# KiCad board ADC_Test.kicad_pcb (continued)
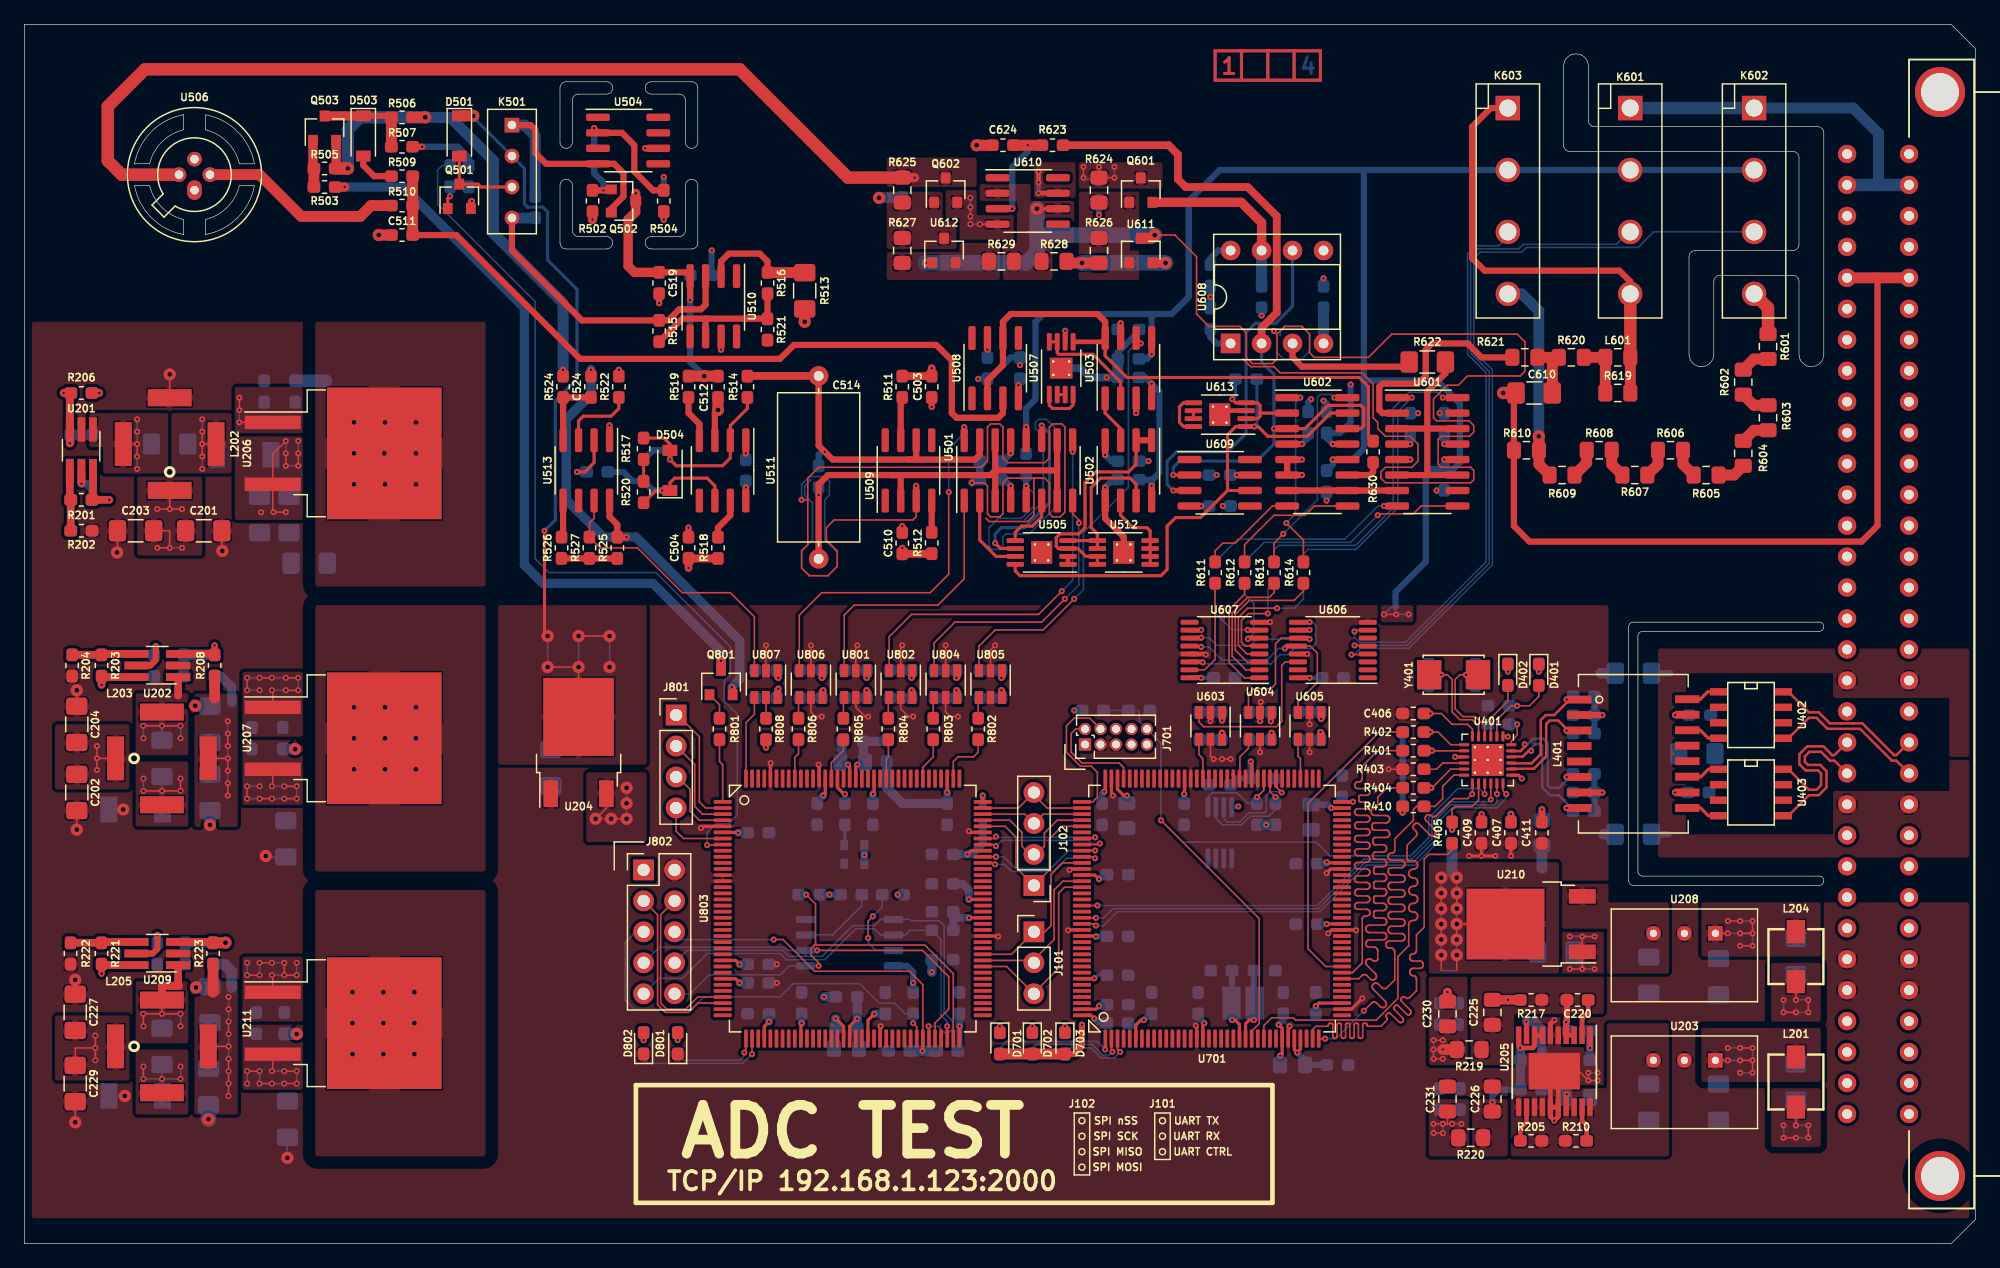
[diagram p0: board, top side]
## Nets (continued)
Net-(C617-Pad1): C617.1 U608.8
Net-(C620-Pad1): C620.1 U608.1
Net-(C624-Pad1): C624.1 R623.1 U610.3
Net-(C625-Pad1): C625.1 U602.2 U613.2 U613.4
Net-(C704-Pad1): C704.1 U701.23 Y701.1
Net-(C706-Pad1): C706.1 U701.24 Y701.2
Net-(C707-Pad1): C707.1 U701.71
Net-(C709-Pad1): C709.1 U701.106
Net-(D401-Pad1): D401.1 R413.1
Net-(D401-Pad2): D401.2 R411.1 U401.2
Net-(D402-Pad1): D402.1 R414.1
Net-(D402-Pad2): D402.2 U401.3
Net-(D501-Pad2): D501.2 K501.3 Q501.3
Net-(D502-Pad1): D502.1 R504.2 U504.2
Net-(D502-Pad2): D502.2 Q502.1 R502.1
Net-(D503-Pad1): D503.1 Q503.3 R506.2 R507.1
Net-(D503-Pad2): D503.2 R509.2
Net-(D701-Pad1): D701.1 R704.2
Net-(D702-Pad1): D702.1 R705.2
Net-(D703-Pad1): D703.1 R706.2
Net-(D801-Pad2): D801.2 R807.2
Net-(D802-Pad2): D802.2 R809.2
Net-(D803-Pad1): D803.1 U803.108
Net-(J801-Pad1): J801.1 U803.2
Net-(J801-Pad2): J801.2 U803.3
Net-(J801-Pad3): J801.3 U803.4
Net-(J801-Pad4): J801.4 U803.7
Net-(K501-Pad1): K501.1 Q502.2 R508.2 U504.4
Net-(K501-Pad4): K501.4 R508.1 R510.2 R515.2 U506.2 U510.3
Net-(K601-Pad4): K601.4 K603.1 L601.1 R619.2
Net-(K602-Pad4): K602.4 R601.2
Net-(K603-Pad4): K603.4 R609.1 R610.1
Net-(L401-Pad9): L401.9 U403.4
Net-(L401-Pad10): L401.10 R420.1
Net-(L401-Pad11): L401.11 U403.1
Net-(L401-Pad14): L401.14 U402.4
Net-(L401-Pad15): L401.15 R421.1
Net-(L401-Pad16): L401.16 U402.1
Net-(L601-Pad2): L601.2 R619.1 R620.2
Net-(Q503-Pad1): Q503.1 R503.1 R505.1
Net-(Q601-Pad1): Q601.1 R624.2 R626.2 U611.1
Net-(Q602-Pad1): Q602.1 R625.1 R627.2 U612.3
Net-(Q801-Pad1): Q801.1 R801.1
Net-(R201-Pad2): R201.2 R202.1 U201.4
Net-(R203-Pad2): R203.2 R204.1 U202.4
Net-(R205-Pad2): R205.2 U205.12
Net-(R210-Pad2): R210.2 U205.19
Net-(R211-Pad1): R211.1 R213.2 U206.1
Net-(R212-Pad1): R212.1 R214.2 U207.1
Net-(R215-Pad2): R215.2 R216.2 U205.1
Net-(R221-Pad2): R221.2 R222.1 U209.4
Net-(R225-Pad1): R225.1 R226.2 U211.1
Net-(R403-Pad1): R403.1 U401.10
Net-(R412-Pad2): R412.2 U401.24
Net-(R511-Pad2): R511.2 U509.7
Net-(R512-Pad1): R512.1 U509.4
Net-(R513-Pad1): R513.1 R516.2 U510.2
Net-(R515-Pad1): R515.1 R516.1 R521.2 U510.6
Net-(R517-Pad1): R517.1 R520.2
Net-(R518-Pad2): R518.2 U511.7
Net-(R519-Pad1): R519.1 U511.4
Net-(R522-Pad1): R522.1 U513.3
Net-(R523-Pad1): R523.1 U513.2
Net-(R525-Pad2): R525.2 R526.1 R527.1
Net-(R526-Pad2): R526.2 U513.5
Net-(R601-Pad1): R601.1 R602.2
Net-(R602-Pad1): R602.1 R603.2
Net-(R603-Pad1): R603.1 R604.2
Net-(R604-Pad1): R604.1 R605.2
Net-(R605-Pad1): R605.1 R606.2
Net-(R606-Pad1): R606.1 R607.2
Net-(R607-Pad1): R607.1 R608.2
Net-(R608-Pad1): R608.1 R609.2
Net-(R611-Pad2): R611.2 U607.15
Net-(R612-Pad2): R612.2 U607.1
Net-(R613-Pad2): R613.2 U607.2
Net-(R614-Pad2): R614.2 U607.3
Net-(R615-Pad2): R615.2 U607.4
Net-(R616-Pad2): R616.2 U607.5
Net-(R617-Pad2): R617.2 U607.6
Net-(R618-Pad2): R618.2 U607.7
Net-(R621-Pad1): R621.1 U601.2
Net-(R622-Pad1): R622.1 U608.3
Net-(R622-Pad2): R622.2 U601.3 U601.6 U601.11 U601.14
Net-(R623-Pad2): R623.2 U602.3 U602.14 U608.2 U609.2
Net-(R626-Pad1): R626.1 R628.1 U611.2
Net-(R627-Pad1): R627.1 R629.2 U612.2
Net-(R628-Pad2): R628.2 R629.1 U610.2 U610.6 U611.3 U612.1
Net-(R630-Pad2): R630.2 U602.11
Net-(R703-Pad1): R703.1 U701.138
Net-(R704-Pad1): R704.1 U701.1
Net-(R705-Pad1): R705.1 U701.2
Net-(R706-Pad1): R706.1 U701.3
Net-(R801-Pad2): R801.2 U803.1
Net-(R802-Pad1): R802.1 U803.110
Net-(R803-Pad1): R803.1 U803.115
Net-(R804-Pad1): R804.1 U803.121
Net-(R805-Pad1): R805.1 U803.130
Net-(R806-Pad1): R806.1 U803.136
Net-(R807-Pad1): R807.1 U803.37
Net-(R808-Pad2): R808.2 U807.5
Net-(R809-Pad1): R809.1 U803.38
Net-(R811-Pad2): R811.2 U808.3
Net-(R813-Pad1): R813.1 U809.3
Net-(R814-Pad1): R814.1 U809.7
Net-(U501-Pad2): U501.2 U505.7
Net-(U501-Pad6): U501.6 U505.5
Net-(U501-Pad11): U501.11 U505.6
Net-(U502-Pad3): U502.3 U503.1
Net-(U502-Pad6): U502.6 U512.5 U512.6 U512.7 U512.8
Net-(U503-Pad2): U503.2 U507.7 U507.8
Net-(U505-Pad1): U505.1 U505.2
Net-(U507-Pad1): U507.1 U507.4
Net-(U507-Pad2): U507.2 U507.3
Net-(U601-Pad7): U601.7 U602.7 U602.10
Net-(U603-Pad3): U603.3 U606.14
Net-(U604-Pad3): U604.3 U606.11 U607.11
Net-(U605-Pad3): U605.3 U606.12 U607.12
Net-(U606-Pad9): U606.9 U607.14
Net-(U608-Pad6): U608.6 U609.3
Net-(U613-Pad5): U613.5 U613.8
Net-(U613-Pad6): U613.6 U613.7

Pads without a net: J301 1 A1 A3 A4 A6 A7 A8 A9 A10 A11 A12 A13 A14 A15 A16 A17 A19 A23 A24 A25 A26 A29 A30 C1 C3 C4 C6 C7 C8 C9 C10 C11 C12 C13 C14 C15 C16 C17 C19 C23 C24 C25 C26 C29 C30; J701 6 7 8 9; J802 1; L401 4 5 12 13; R521 1; U402 2 3 6 7; U403 2 3 6 7; U504 1 3 5 7 8; U508 1 5 8; U509 1 5 8; U510 1 5 8; U511 5; U513 6; U601 10 15; U606 1 2 3 6 15; U607 9; U608 5; U609 1 5 8; U610 1 5 8; U701 4 5 7 8 9 10 11 12 13 14 15 18 19 20 21 22 26 28 29 34 37 40 41 42 46 47 48 49 50 53 54 55 56 57 58 59 60 63 64 65 66 67 68 69 70 73 74 75 77 78 79 85 87 88 89 90 91 93 96 97 98 99 100 101 102 103 104 114 124 125 127 132 133 134 135 136 137 139 140 141 142; U803 9 10 11 12 15 16 17 18 19 20 21 22 23 24 25 26 28 29 31 32 35 36 39 41 42 43 44 45 47 48 49 50 51 52 55 56 58 60 61 62 63 64 73 74 75 76 77 78 79 80 84 85 87 88 90 91 93 94 95 96 97 109 112 113 114 116 117 118 119 120 122 124 125 128 133 134 135 137 138 139 141 142 143

## Via types
v1: diameter 0.5, hole 0.2, Top to Bottom, 425 vias
v2: diameter 1, hole 0.4, Top to Bottom, 83 vias
v3: diameter 0.5, hole 0.25, Top to Bottom, 81 vias

## Routing (per net, layer and track width the routed paths; a pad name or vN(x,y) marks a point on that pad's centre or on a via; arc(x,y) is an arc through that point)
+1V2: length 24
  Top w0.127: 116.69,9.82 v1(117.07,9.82) ; 116.69,9.82 C231.1 ; 116.69,9.82 v1(116.31,9.82) v1(115.55,9.82) ; v1(115.55,9.06) v1(116.31,9.06)
  Top w0.254: v1(75.67,37) 75.67,37.01 U803.111 ; v1(77.45,28.24) 77.46,28.23 U803.92 ; v1(58.65,22.91) 58.33,23.23 U803.27 ; U803.40 60.67,17.81 v1(61.06,18.21)
  Bottom w0.127: v1(116.31,9.82) v1(116.31,9.06) ; v1(115.55,9.82) v1(115.55,9.06) ; v1(117.07,9.82) v1(117.83,9.82)
  Bottom w0.635: v1(61.06,18.21) 61.05,18.22 C826.1 ; C822.1 76.94,29.51 77.45,29 v1(77.45,28.24) ; C821.1 v1(58.65,22.91) ; C824.1 v1(75.67,37)
  Bottom w0.762: C824.1 72,36.1 70.72,37.38 R810.2 ; R816.2 v1(65.57,20.24)
+3.3VF: length 86.7
  Top w0.127: v2(116.18,24.94) v2(116.18,26.21) ; v2(117.45,24.94) v2(117.45,26.21) U210.2 ; v2(117.45,23.67) 117.45,22.4 ; v2(117.45,27.48) v2(117.45,28.75) ; 116.18,22.4 v2(116.18,23.67) ; v2(116.18,27.48) v2(116.18,28.75)
  Top w0.254: U701.95 95.14,36.91 v1(95.1,36.88) ; U701.108 88.64,37.14 v1(88.56,37.07) ; U701.52 106.8,26.23 v1(106.78,26.21) ; U701.17 96.64,17.97 v1(96.75,18.08) ; U701.72 108.93,36.23 v1(108.94,36.24) ; U701.121 87.78,30.23 v1(88.12,29.89) ; v1(102.97,15.41) 103.14,15.58 U701.30 103.14,17.66 v1(102.85,17.95) ; U701.131 87.82,25.23 v1(87.86,25.19) ; v1(88.12,19.48) 87.87,19.23 U701.143 ; v1(100.56,39.54) 100.64,39.47 U701.84 ; v1(117.32,39.92) 117.33,39.92 U401.9 ; U701.39 106.15,19.73 v1(105.9,19.48) ; v1(106.78,31.29) 106.84,31.23 U701.62 ; U701.144 87.47,18.73 v1(87.73,18.46) ; U701.6 91.14,17.93 91.54,18.33 v1(91.8,18.33)
  Top w0.508: U603.6 v1(98.21,41.89) ; U604.6 v1(102.27,41.89) ; v1(113.01,35.35) 113.02,35.37 R410.1 ; U605.6 106.34,41.89 v1(106.28,41.96) ; D703.2 86.1,15.55 86.72,16.17 v1(86.72,17.95)
  Top w0.889: D701.2 D703.2
  Bottom w0.127: v2(116.18,26.21) v2(116.18,27.48) ; v2(116.18,23.67) v2(116.18,24.94) ; v2(116.18,28.75) v2(116.18,30.02) ; 117.45,22.4 116.18,22.4 ; v2(117.45,26.21) v2(117.45,27.48) ; v2(117.45,24.94) v2(117.45,23.67) ; v2(117.45,28.75) v2(117.45,30.02)
  Bottom w0.254: C708.1 108.45,36.24 v1(108.94,36.24)
  Bottom w0.381: v1(99.54,35.86) 99.5,35.81 U702.8
  Bottom w0.508: v1(88.56,37.07) 88.37,36.88 C716.1 ; C611.1 98.21,41.4 v1(98.21,41.9) ; C713.1 96.24,18.59 v1(96.75,18.08) ; v1(106.28,41.96) 106.28,41.33 C606.1 ; 100.96,38.15 100.56,38.54 v1(100.56,39.54) ; R407.1 R410.1 113.01,35.85 v1(113.01,35.35) ; C712.1 88.5,30.27 v1(88.12,29.89) ; R702.1 v1(101.82,34.35) R701.1 ; v1(102.85,17.95) 103.23,18.33 C714.1 ; v1(91.8,18.33) 92.32,18.86 C711.1 ; C703.1 v1(106.78,26.21) ; v1(88.12,19.48) 88.24,19.6 C717.1 ; R707.1 v1(86.08,43.73) ; FB701.2 102.97,15.4 v1(102.97,15.41) ; v1(102.27,41.89) 102.27,41.4 C608.1 ; v1(87.73,18.46) 87.99,18.21 88.75,18.21 88.76,18.19 C719.1 ; C701.1 v1(87.86,25.19) ; C718.1 v1(95.1,36.88) ; C710.1 99.4,38.15 C715.1 ; C702.1 106.78,31.16 v1(106.78,31.29) ; C705.1 v1(105.9,19.48)
  Bottom w0.889: FB401.2 124.44,30.78 ; R409.1 117.07,30.4 v2(117.45,30.02) ; R701.1 R702.1
+3.3VP: length 90.3
  Top w0.127: v1(116.31,15.16) v1(115.55,15.16) v1(115.55,15.92) v1(116.31,15.92) ; v1(115.55,16.68) v1(116.31,16.68)
  Top w0.254: U803.100 77.62,32.23 v1(77.32,31.92) ; U803.131 65.67,36.91 v1(65.51,36.75) ; U803.123 69.67,36.97 v1(69.57,36.88) ; v1(58.65,21.38) 58.31,21.73 U803.30 ; U803.6 58.5,33.73 v1(58.52,33.7) ; U803.57 69.17,18.31 v1(69.7,18.84) ; U803.72 76.67,17.81 v1(76.69,17.83) ; v1(63.73,18.08) 63.67,18.02 U803.46 ; U803.89 77.46,26.73 v1(77.45,26.72)
  Top w0.508: 65.44,44.79 65.44,45.32 v1(65.51,45.39) ; v1(80.11,45.39) 80.18,45.32 80.18,44.79 ; v1(49.38,57.96) 49.37,57.94 R525.1 48.62,58.97 47.98,59.61 U513.8 ; U801.6 69.13,45.32 v1(69.06,45.39) ; U807.6 61.76,45.45 v1(61.83,45.51) ; U802.6 72.81,45.32 v1(72.75,45.39) ; v1(76.43,45.39) 76.49,45.32 U804.6 ; v1(58.02,45.64) 58.08,45.58 Q801.2 ; C524.1 v1(46.46,71.67)
  Top w0.889: 117.44,15.92 v1(116.31,15.92)
  Bottom w0.127: v1(115.55,16.68) v1(115.55,15.92)
  Bottom w0.508: R813.2 v1(66.02,28.62) R819.1 ; C815.1 61.83,44.89 v1(61.83,45.51) ; U808.4 v1(68.87,31.86) U808.1 ; v1(65.51,45.39) 65.51,44.89 C818.1 ; C808.1 69.06,44.76 v1(69.06,45.39) ; C820.1 80.11,44.76 v1(80.11,45.39) ; C816.1 76.42,45.37 v1(76.43,45.39) ; R812.2 76.69,15.94 v1(76.69,17.83) ; R817.1 v1(72.88,21.38) 72.88,22.27 72.37,22.78 U809.8 ; R814.2 v1(71.6,28.62) ; v1(72.75,45.39) 72.75,44.76 C810.1
  Bottom w0.635: C825.1 65,36.24 v1(65.51,36.75) ; D803.2 78.59,32.81 77.7,31.92 v1(77.32,31.92) C807.1 ; C814.1 v1(76.69,17.83) ; C809.1 v1(58.65,21.38) ; v1(77.45,26.72) 76.3,26.72 76.16,26.86 ; 76.16,26.86 R818.1 ; 76.16,26.86 C817.1 ; U808.4 U808.1 ; C811.1 v1(69.57,36.88) ; C813.1 v1(63.73,18.08) ; v1(69.7,18.84) 69.71,18.86 C819.1 ; C812.1 v1(58.52,33.7)
  Bottom w0.762: v1(74.4,22.27) 74.41,22.28 C823.1 ; v1(58.02,45.64) 58.65,46.27 58.65,49.45 50.14,57.96 v1(49.38,57.96) 47.47,57.96 44.43,61.01 44.43,67.61 46.46,69.64 v1(46.46,71.67)
+5VF: length 240.3
  Top w0.127: v2(42.9,47.29) v2(45.44,47.29) 45.44,47.29 U204.2 ; v1(111.48,51.61) v1(112.5,51.61) ; v2(45.44,49.83) v2(47.98,49.83)
  Top w0.254: v1(42.65,58.47) 42.65,49.96 42.52,49.83
  Top w0.381: U607.16 96.49,46.41 v1(96.5,46.4) ; v1(96.5,50.34) 96.47,50.31 U607.10 ; U606.16 105.38,46.41 v1(105.39,46.4) ; U606.10 105.36,50.31 v1(105.39,50.34)
  Top w0.508: v1(80.11,46.4) 80.18,46.46 80.18,46.99 ; v1(65.38,46.4) 65.44,46.46 65.44,46.99 ; v1(69.06,46.4) 69.06,46.93 U801.1 ; U804.1 76.49,46.46 v1(76.43,46.4) ; U501.12 v1(82.15,66.97) ; U603.1 v1(98.21,42.91) ; v1(61.83,46.4) 61.76,46.47 U807.1 ; U802.1 72.75,46.93 v1(72.75,46.4) ; U503.5 v1(92.43,72.94) ; U601.12 v1(116.44,64.31) ; U602.12 v1(107.29,64.31) ; U604.1 102.21,43.5 v1(102.21,42.84) ; R808.1 v1(60.81,40.69) ; U605.1 v1(106.34,43.03)
  Top w0.889: v2(36.81,92.5) 36.81,92.5 D501.1
  Power w0.508: v1(61.83,46.4) 60.81,46.4 v1(60.81,40.69)
  Bottom w0.127: v2(42.9,47.29) v2(42.9,49.83) ; v1(112.5,51.61) v1(113.51,51.61) ; v2(45.44,47.29) v2(45.44,49.83) ; v2(47.98,49.83) v2(47.98,47.29) ; 112.44,52.18 112.05,52.18 v1(111.48,51.61)
  Bottom w0.254: v2(36.81,92.5) 36.81,92.38 K501.2 41,88.18 41,85.26 41.25,85.01 42.52,85.01 42.9,84.63 42.9,80.69 45.32,78.28 45.32,70.91 43.54,69.13 43.54,59.36 v1(42.65,58.47)
  Bottom w0.381: C612.1 v1(105.39,46.4) ; C607.1 v1(96.5,46.4)
  Bottom w0.508: C803.1 80.11,47.02 v1(80.11,46.4) ; C523.1 92.05,72.56 v1(92.43,72.94) 92.43,75.99 92.69,76.25 91.93,76.25 ; 109.83,70.78 109.83,88.06 ; 109.83,70.78 109.83,65.2 108.94,64.31 v1(107.29,64.31) 107.29,63.91 C605.1 ; 109.83,70.78 115.85,70.78 117.71,68.92 117.71,64.05 117.18,63.53 C613.1 ; 109.83,88.06 K603.2 K602.2 ; 109.83,88.06 98.02,88.06 95.48,85.52 95.48,77.64 94.08,76.25 91.93,76.25 ; C609.1 102.21,43.59 v1(102.21,42.84) ; C806.1 69.05,46.42 v1(69.06,46.4) ; v1(72.75,46.4) 72.73,46.42 C804.1 ; 91.93,76.25 83.54,76.25 82.91,75.61 82.91,69.26 82.15,68.5 v1(82.15,66.97) C520.1 ; v1(106.34,43.03) 106.34,43.53 C603.1 ; v1(98.21,42.91) 98.21,43.53 C614.1 ; v1(65.38,46.4) 65.38,47.02 C802.1 ; C613.1 115.41,63.53 114.91,63.04 114.91,55.93 112.44,53.45 112.44,52.18 ; C613.1 v1(116.44,64.31) ; v1(61.83,46.4) 61.83,46.89 C801.1 ; v1(76.43,46.4) 76.43,47.02 C805.1
+18VF: length 68.8
  Top w0.127: v2(29.51,64.82) 29.51,67.3 v2(29.57,67.36) ; R624.1 89.38,87.43 v1(89.38,87.42) ; v1(86.84,87.42) v1(86.84,88.31)
  Top w0.508: R504.1 v1(52.43,83.99) ; U502.8 v1(92.43,62.15) ; U609.7 v1(99.42,63.04) ; U601.13 v1(116.44,65.58) ; U602.13 v1(107.29,65.58) ; U503.4 v1(92.43,70.53) ; U508.7 v1(78.97,73.33) ; U501.13 v1(80.88,64.82)
  Top w0.635: R518.1 C504.1 v1(54.46,55.42) ; R511.1 C503.1 v1(74.4,71.8)
  Power w0.127: v2(27.03,64.82) v2(29.51,64.82)
  Power w0.508: v1(99.42,63.04) 99.42,59.1
  Power w1.016: v1(78.97,73.33) 79.61,72.69 79.61,66.09 v1(80.88,64.82) ; U506.3 13.95,94.91
  Bottom w0.127: v1(88.12,88.31) C615.1 86.99,87.28 v1(86.84,87.42) ; v1(89.38,87.42) v1(89.38,88.31)
  Bottom w0.508: C506.1 91.93,71.04 v1(92.43,70.53) 93.07,69.9 93.07,63.23 92.43,62.59 v1(92.43,62.15) 92.43,62.66 C505.1 ; C619.1 v1(99.42,63.04) ; v1(107.29,65.58) 106.78,66.09 C616.1 107.88,66.48 108.75,67.36 v1(108.75,70.47) ; v1(80.88,64.82) 80.24,64.18 C502.1 ; v1(78.97,73.33) C507.1 ; C618.1 v1(116.44,65.58) ; R504.1 v1(52.43,83.99)
  Bottom w1.016: R213.1 24.73,70.77
  vias: v2(27.03,67.36) v2(27.03,62.28) v2(29.57,62.28) v2(32.11,67.36) v2(32.11,64.82) v2(32.11,62.28)
+24VF: length 42.9
  Top w0.127: v1(145.26,18.97) v1(144.25,18.97) ; C203.1 11.92,58.47 v1(11.92,57.07) v1(10.9,57.07) ; L204.1 v1(145.26,19.98) ; 4.17,14.87 4.17,16.05 v3(5.82,16.05) ; L203.1 v1(5.95,39.8) ; v1(5.95,39.8) v1(5.95,40.81) ; v1(5.95,39.8) v1(5.95,38.84) ; v1(146.28,19.98) v1(146.28,18.97) ; v1(12.93,60.24) v1(10.9,60.24) ; v1(145.26,8.68) v1(144.25,8.68) ; v3(5.82,17.06) v3(5.82,15.03) ; L201.1 v1(145.26,9.7) ; v1(146.28,9.7) v1(146.28,8.68) ; L202.1 v1(11.92,60.24)
  Top w0.508: R221.1 v3(6.33,22.14)
  Top w0.635: v1(6.33,45.83) R203.1 6.4,46.47 U202.6 ; v1(6.96,61.01) R201.1 5.63,61.08 U201.6 ; R221.1 6.4,22.84 U209.6
  Bottom w0.127: v3(5.82,16.05) v3(5.82,17.06) ; v1(146.28,8.68) v1(145.26,8.68) ; v1(11.92,60.24) v1(12.93,60.24) ; v1(146.28,18.97) v1(145.26,18.97) ; v1(144.25,8.68) v1(144.25,9.7) ; v1(11.92,57.07) v1(12.93,57.07) ; v1(145.26,9.7) v1(146.28,9.7) ; v1(144.25,18.97) v1(144.25,19.98) ; v1(145.26,19.98) v1(146.28,19.98)
-14VF: length 94.2
  Top w0.127: v3(19.28,14.14) v3(18.27,14.14) ; v3(21.31,14.14) v3(22.33,14.14) ; v3(20.3,13.13) v3(19.28,13.13) ; v3(22.33,13.13) v3(21.31,13.13) ; v3(20.3,14.14) 20.36,14.21 U211.3
  Top w0.508: U602.4 v1(104.75,65.58) ; U609.4 v1(96.5,60.5) ; U502.4 v1(88.62,64.69) ; C519.1 54.28,79.66 U510.4 v1(54.59,77.39) ; R524.2 v1(44.17,71.67) ; U508.4 v1(81.51,70.4) ; U601.4 v1(113.64,65.58) ; U501.4 v1(80.88,62.15) ; U503.7 v1(89.89,75.48) ; C510.1 v1(71.99,57.07)
  Top w0.635: C510.1 74.38,56.58 R512.2
  Top w0.762: Q503.2 25.56,88.26 R505.2 ; 50.13,86.14 Q502.3 50.13,84.61 49.51,83.99 49.51,80.18 50.03,79.66 C519.1 ; R502.2 v1(46.59,83.99)
  Top w0.889: C512.1 v2(55.74,71.15) R519.2 ; R506.1 v2(32.87,92.38)
  Top w1.016: R505.2 v2(26.52,88.18)
  Bottom w0.127: v3(18.27,14.14) v3(18.27,13.13) ; v3(22.33,14.14) v3(22.33,13.13) ; v3(19.28,13.13) v3(19.28,14.14) ; v3(21.31,13.13) v3(20.3,13.13) ; v3(20.3,14.14) v3(21.31,14.14)
  Bottom w0.508: v1(96.5,60.5) C621.1 ; v1(88.62,64.69) 89.13,64.18 C518.1 ; v2(55.74,71.15) 54.59,72.31 v1(54.59,77.39) 54.6,77.4 C516.1 ; C517.1 89.89,75.22 v1(89.89,75.48) ; v1(80.88,62.15) 80.37,62.66 C509.1 ; C623.1 105.26,66.09 v1(104.75,65.58) ; v1(81.51,70.4) 81.51,70.8 C513.1 ; C622.1 v1(113.64,65.58)
  Bottom w0.889: v1(44.17,71.67) 44.17,77.13 38.46,82.85 38.46,88.82 34.9,92.38 v2(32.87,92.38)
  Bottom w1.016: v2(26.52,88.18) 26.52,91.36 27.54,92.38 v2(32.87,92.38)
  vias: v1(50.14,86.15)
-18VF: length 164.1
  Top w0.127: v3(18.27,36.5) v3(18.27,37.51) ; v3(21.31,37.51) v3(22.33,37.51) ; v3(20.3,37.51) 20.36,37.58 U207.3 ; v3(20.3,36.5) v3(19.28,36.5) ; v3(22.33,36.5) v3(21.31,36.5)
  Top w0.762: R625.2 72.99,87.43
  Top w1.016: U506.4 7.98,87.68 6.83,88.82 6.83,93.26 9.88,96.31 58.65,96.31 67.53,87.43 R625.2
  Power w1.016: U506.4 7.22,87.68 5.56,86.03 5.56,79.8 7.6,77.77 16.61,77.77 19.28,75.1 19.28,64.31 22.33,61.26 22.33,52.63 23.85,51.1 23.85,44.88 20.3,41.32 v3(20.3,36.5)
  Bottom w0.127: v3(18.27,37.51) v3(19.28,37.51) ; v3(19.28,36.5) v3(18.27,36.5) ; v3(22.33,37.51) v3(22.33,36.5) ; v3(20.3,37.51) v3(21.31,37.51) ; v3(21.31,36.5) v3(20.3,36.5)
  vias: v1(73,87.42)
/FPGA/GNDPLL0: length 4.4
  Top w0.254: U803.53 67.17,17.81 v1(66.53,18.46)
  Bottom w0.762: v1(66.53,18.46) 66.54,18.45 C830.2 66.39,17.55 66.39,16.05
/FPGA/GNDPLL1: length 3.6
  Top w0.254: v1(67.54,39.29) 67.67,39.16 U803.127
  Bottom w0.254: v1(67.54,39.29) 67.09,39.29 C827.2
  Bottom w0.762: C828.2 67.05,39.69 66.9,39.54
/FPGA/VCCPLL0: length 6.1
  Top w0.254: v1(68.29,18.45) 67.67,17.83 U803.54
  Bottom w0.762: R816.1 v1(68.29,18.45) C830.1 68.29,16.2 68.44,16.05
/FPGA/VCCPLL1: length 5.6
  Top w0.254: v1(68.3,39.29) 68.17,39.16 U803.126
  Bottom w0.254: v1(68.3,39.29) 68.76,39.29 C827.1
  Bottom w0.762: 68.95,39.54 68.8,39.69 C828.1 70.6,41.19 R810.1
AGNDF: length 398.7
  Top w0.127: v1(72.88,43.23) 72.49,43.23 71.86,43.86 U802.5 ; U806.2 v1(64.49,49.07) ; U801.5 68.18,43.99 68.94,43.23 v1(69.19,43.23) ; v2(7.6,56.69) 7.63,56.72 C203.2 ; U205.21 127.49,14.14 v1(128.25,13.38) ; U605.5 v1(105.39,40.31) ; v1(68.3,49.07) 68.18,48.94 U801.2 ; U603.5 97.26,39.99 v1(97.51,39.73) ; v1(98.21,39.73) v1(98.91,39.73) ; C204.2 v2(4.3,45.39) ; v1(77.7,62.4) 78.72,62.4 78.97,62.15 78.97,59.86 79.22,59.61 79.99,59.61 80.24,59.86 80.24,62.4 80.62,62.78 82.91,62.78 ; v1(71.99,49.07) 71.86,48.94 U802.2 ; U603.2 v1(97.26,42.84) ; v1(101.39,44.43) 101.32,44.37 U604.2 v1(101.32,42.84) ; v1(128.25,13.38) v1(128.25,14.02) ; v1(128.25,13.38) v1(129.01,13.38) ; v2(16.23,56.81) 16.2,56.85 C201.2 ; U807.2 v1(60.81,49.07) ; 82.91,62.78 83.67,62.78 84.05,62.4 84.05,59.86 84.31,59.61 84.94,59.61 85.32,59.99 85.32,66.97 85.07,67.23 84.31,67.23 84.05,66.97 84.05,64.44 83.67,64.05 80.62,64.05 80.24,64.44 80.24,66.97 79.99,67.23 79.22,67.23 78.97,66.97 78.97,64.18 78.46,63.67 65.13,63.67 64.24,62.78 64.24,61.01 ; 82.91,62.78 82.78,62.78 82.78,59.74 82.27,59.23 79.1,59.23 78.84,59.48 ; U805.2 79.22,48.69 v1(79.61,49.07) ; 64.24,61.01 64.24,57.32 63.73,56.81 63.73,55.42 64.37,54.78 65.89,54.78 66.65,55.55 66.65,56.81 65.76,57.7 65.76,58.72 66.4,59.36 72.88,59.36 73.13,59.61 U509.3 ; 64.24,61.01 v1(63.73,61.01) ; v1(76.56,43.23) 75.92,43.23 75.54,43.61 U804.5 ; L202.3 v2(11.92,71.29) ; C229.2 v2(4.17,9.95) ; U605.2 v1(105.39,42.59) ; v1(65.38,43.23) 64.87,43.23 64.49,43.61 U806.5 ; v1(128.75,25.19) v1(127.74,25.19) 127.75,25.18 U210.1 v1(127.75,22.53) 127.74,22.53 v1(126.72,22.53) ; C202.2 v2(4.3,33.95) ; U604.5 v1(101.32,40.31) ; C227.2 v2(4.17,21.64) ; U804.2 v1(75.54,49.07) ; R403.2 v1(111.86,38.91)
  Top w0.254: v1(119.48,31.8) v1(120.63,31.8) ; v1(119.48,31.8) C409.2 ; v1(119.48,31.8) v1(118.47,31.8) ; v1(96.05,17.89) 96.14,17.8 U701.16 ; v1(85.57,25.7) 85.6,25.73 U701.130 ; U803.5 55.62,34.23 v1(55.48,34.08) ; U701.61 107.11,30.73 v1(106.78,30.4) ; v1(109.2,25.7) 109.17,25.73 U701.51 107.19,25.73 v1(106.91,25.45) ; v1(109.71,20.11) 108.82,19.23 U701.38 ; v1(70.21,17.83) 70.17,17.79 U803.59 ; v1(79.86,25.19) 79.82,25.23 U803.86 ; U701.120 85.78,30.73 v1(85.7,30.65) ; v1(89.26,36.75) 89.14,36.87 U701.107 ; v1(61.19,39.42) 61.17,39.4 U803.140 ; U803.103 77.55,33.73 v1(77.45,33.83) ; v1(103.74,17.83) 103.64,17.73 U701.31 ; U803.132 65.17,39.25 v1(65.13,39.29) ; C407.2 v1(121.9,31.8)
  Top w0.381: v1(125.45,18.33) 125.13,18.01 U205.6 ; U205.15 125.13,13.82 U205.21 125.78,13.82 U205.16 ; U205.15 125.13,10.4 v1(125.45,10.08) 125.78,10.4 U205.16 ; U205.15 U205.16 ; U507.6 v1(85.34,74.87) ; U613.9 98.35,68.32 U613.3 ; U607.8 102.14,50.96 v1(102.15,50.97) ; U607.13 96.82,48.36 v1(96.88,48.31) ; U606.13 v1(105.19,48.36)
  Top w0.508: 151.95,79.21 151.95,58.88 150.65,57.58 123.42,57.58 122.14,58.86 R610.2 122.14,69.6 C610.1 ; v1(104.75,63.04) U602.6 U602.5 v1(104.75,64.31) ; C503.2 v1(74.4,68.63) ; v1(32.62,89.96) R507.2 ; v1(88.62,62.02) U502.5 88.62,59.48 90.15,57.96 U512.9 ; R522.2 v1(48.75,71.67) ; U501.5 v1(82.15,62.15) ; U601.5 v1(113.64,64.31) ; U509.3 v1(73.13,62.15) ; U510.7 v1(57.13,73.33) ; 91.16,69.33 v1(91.16,68.12) ; C510.2 v1(71.99,58.85) ; Q501.2 36.61,85.45 v1(36.68,85.52) ; C519.2 v1(52.05,77.13) ; v2(56.87,68.37) 56.62,68.12 U511.3 ; U504.6 v1(50.9,89.84) ; U513.1 v1(47.98,67.1) ; C504.2 v1(54.46,58.72)
  Top w0.762: C225.2 v1(121.63,19.99) 122.66,19.99 R217.2 ; C230.2 v1(116.69,20.62)
  Top w0.889: R513.2 v2(63.99,75.61) ; C511.2 v2(29.06,82.72) ; J301.C5 J301.A5 ; C624.2 v2(78.08,90.09) ; C512.2 v2(56.87,68.37)
  Top w1.016: C610.1 v2(121.26,69.77)
  Ground w0.889: U506.1 13.95,81.07
  Ground w1.016: v2(121.26,69.77) 118.21,69.77
  Bottom w0.127: 82.02,59.36 83.54,60.88 83.54,66.21 82.91,66.85 82.91,67.36 83.16,67.61 83.8,67.61 84.56,66.85 84.56,60.37 82.4,58.21 80.5,58.21 80.24,57.96 80.24,57.2 79.99,56.94 79.35,56.94 79.1,57.2 79.1,58.72 79.86,59.48 81.76,59.48 82.78,60.5 82.78,61.51 v1(82.15,62.15) ; v2(19.79,31.8) 19.88,31.71 C223.2 ; 64.49,62.66 63.99,62.15 63.99,61.39 64.62,60.75 64.62,57.7 63.73,56.81 63.73,55.42 64.37,54.78 65.89,54.78 66.65,55.55 66.65,56.69 65.64,57.7 65.64,61.01 66.02,61.39 66.02,62.53 65.64,62.91 64.37,62.91 63.73,62.28 v1(63.73,61.01) ; v1(127.74,25.19) v1(126.72,25.19) ; v1(128.25,14.02) v1(129.01,14.02) ; v1(127.75,22.53) 128.75,22.53 v1(128.75,22.53) ; D201.1 v2(8.11,35.61) ; C245.2 v2(21.57,7.03) ; v1(97.51,39.73) v1(98.21,39.73) ; D203.1 v2(8.23,12.11)
  Bottom w0.508: C520.2 v1(82.15,62.15) ; C622.2 114.26,68.1 v1(114.28,68.12) ; C621.2 v1(98.28,60.5) ; C518.2 v1(92.18,64.18) ; C605.2 v1(106.78,60.94) ; v1(116.06,68.12) 116.07,68.1 C618.2 ; C505.2 89.26,62.66 v1(88.62,62.02) ; v1(115.8,61.77) 115.81,61.78 C613.2 ; C501.1 36.43,89.07 35.54,89.96 v1(32.62,89.96) ; v1(106.53,69.13) 106.78,68.88 C616.2 ; v1(81.64,72.06) C513.2 80.86,72.68 79.11,70.93 C507.2 78.22,70.93 v1(78.21,70.91) ; C615.2 v1(88.12,84.37) ; C809.2 v1(61.7,21.38) ; C516.2 56.35,81.44 v1(56.36,81.45) ; v1(105.51,69.26) 105.26,69.01 C623.2 ; C601.2 v1(106.53,79.17) ; C523.2 89.65,73.08 91.4,74.83 C517.2 ; C821.2 v1(61.7,22.91) ; C602.2 v1(101.45,76.12) ; C619.2 v1(97.77,63.04) ; C508.2 v1(52.43,87.49)
  Bottom w0.635: C502.2 C509.2 77.96,62.66 v1(77.7,62.4) ; C506.2 v1(88.75,71.04) 87.35,71.04 86.59,71.8 U507.9
  Bottom w0.889: C244.2 14.16,21.09 v2(14.07,21) ; C604.2 70.09,85.78 v2(70.08,85.77) ; v2(22.2,40.56) 22.19,40.57 R212.2 ; v2(14.01,44.11) 14.05,44.08 C219.2 ; R419.2 129.26,46.78 ; C506.2 C523.2 ; C413.2 129.52,33.57
  Bottom w1.016: v2(22.33,17.19) 22.31,17.2 R225.2 ; C217.2 v2(15.22,34.34)
  Bottom w1.27: C243.2 v2(15.09,10.21)
VCC: length 18.2
  Top w0.381: v1(83.16,87.04) v1(83.16,87.93) ; U610.7 v1(83.16,86.15)
  Top w0.762: U608.7 101.45,83.74 99.78,85.41 Q601.2
  Bottom w0.381: v1(83.16,86.15) v1(83.16,87.04)
  Bottom w0.889: C602.1 U608.7
VCCQ: length 16.4
  Top w0.254: v1(122.79,38.15) 122.51,38.42 U401.19 ; U401.1 121.61,41.61 v1(121.64,41.58)
  Top w0.508: C407.1 v1(121.9,35.22) ; C411.1 v1(124.44,35.61) ; C409.1 v1(119.48,35.22) ; L401.7 v1(129.39,37) ; v1(129.39,43.35) L401.2
  Bottom w0.508: C408.1 v1(129.39,43.35) ; R417.1 R418.1 ; R416.1 R415.1 ; C410.1 v1(129.39,37)
  Bottom w0.635: C407.1 v1(121.9,35.22) ; v1(124.44,35.61) FB401.1
VDD: length 9.1
  Top w0.127: v3(77.57,84.25) v3(77.57,85.01) ; U610.4 v3(78.34,83.61)
  Bottom w0.127: v3(78.34,83.61) v3(77.57,83.61) v3(77.57,84.25) ; v3(77.57,85.01) v3(77.57,85.77)
  Bottom w0.508: C617.2 v1(97.26,77.64) C620.2
  Bottom w0.889: C601.1 U608.4
(no net): length 117.3
  Top w0.254: 99.8,95.42 99.8,97.84 ; 104.12,95.42 104.12,97.84 ; 101.96,95.42 101.96,97.84 ; 106.28,97.84 106.28,95.42 97.64,95.42 97.64,97.84 106.28,97.84
  Ground w0.254: 104.12,95.42 104.12,97.84 ; 101.96,95.42 101.96,97.84 ; 99.8,95.42 99.8,97.84 ; 97.64,97.84 106.28,97.84 106.28,95.42 97.64,95.42 97.64,97.84
  Power w0.254: 104.12,95.42 104.12,97.84 ; 101.96,95.42 101.96,97.84 ; 99.8,95.42 99.8,97.84 ; 106.28,97.84 106.28,95.42 97.64,95.42 97.64,97.84 106.28,97.84
  Bottom w0.254: 99.8,95.42 99.8,97.84 ; 101.96,95.42 101.96,97.84 ; 104.12,95.42 104.12,97.84 ; 106.28,97.84 106.28,95.42 97.64,95.42 97.64,97.84 106.28,97.84
/ADC/ADIN: length 44.7
  Top w0.254: U602.15 107.1,68.12 105.2,66.21 101.96,66.21 101.16,67.02 v1(100.86,67.02) U613.1 99.33,67.02 98.66,66.34 98.66,61.77 ; 81.25,55.71 81.25,55.17 81.64,54.78 93.19,54.78 93.7,55.29 93.7,58.85 94.4,59.55 96.43,59.55 98.66,61.77 ; 98.66,61.77 U609.6